# EAGLE board working (EAGLE 7.5.0), part 5 of 8 (continued)
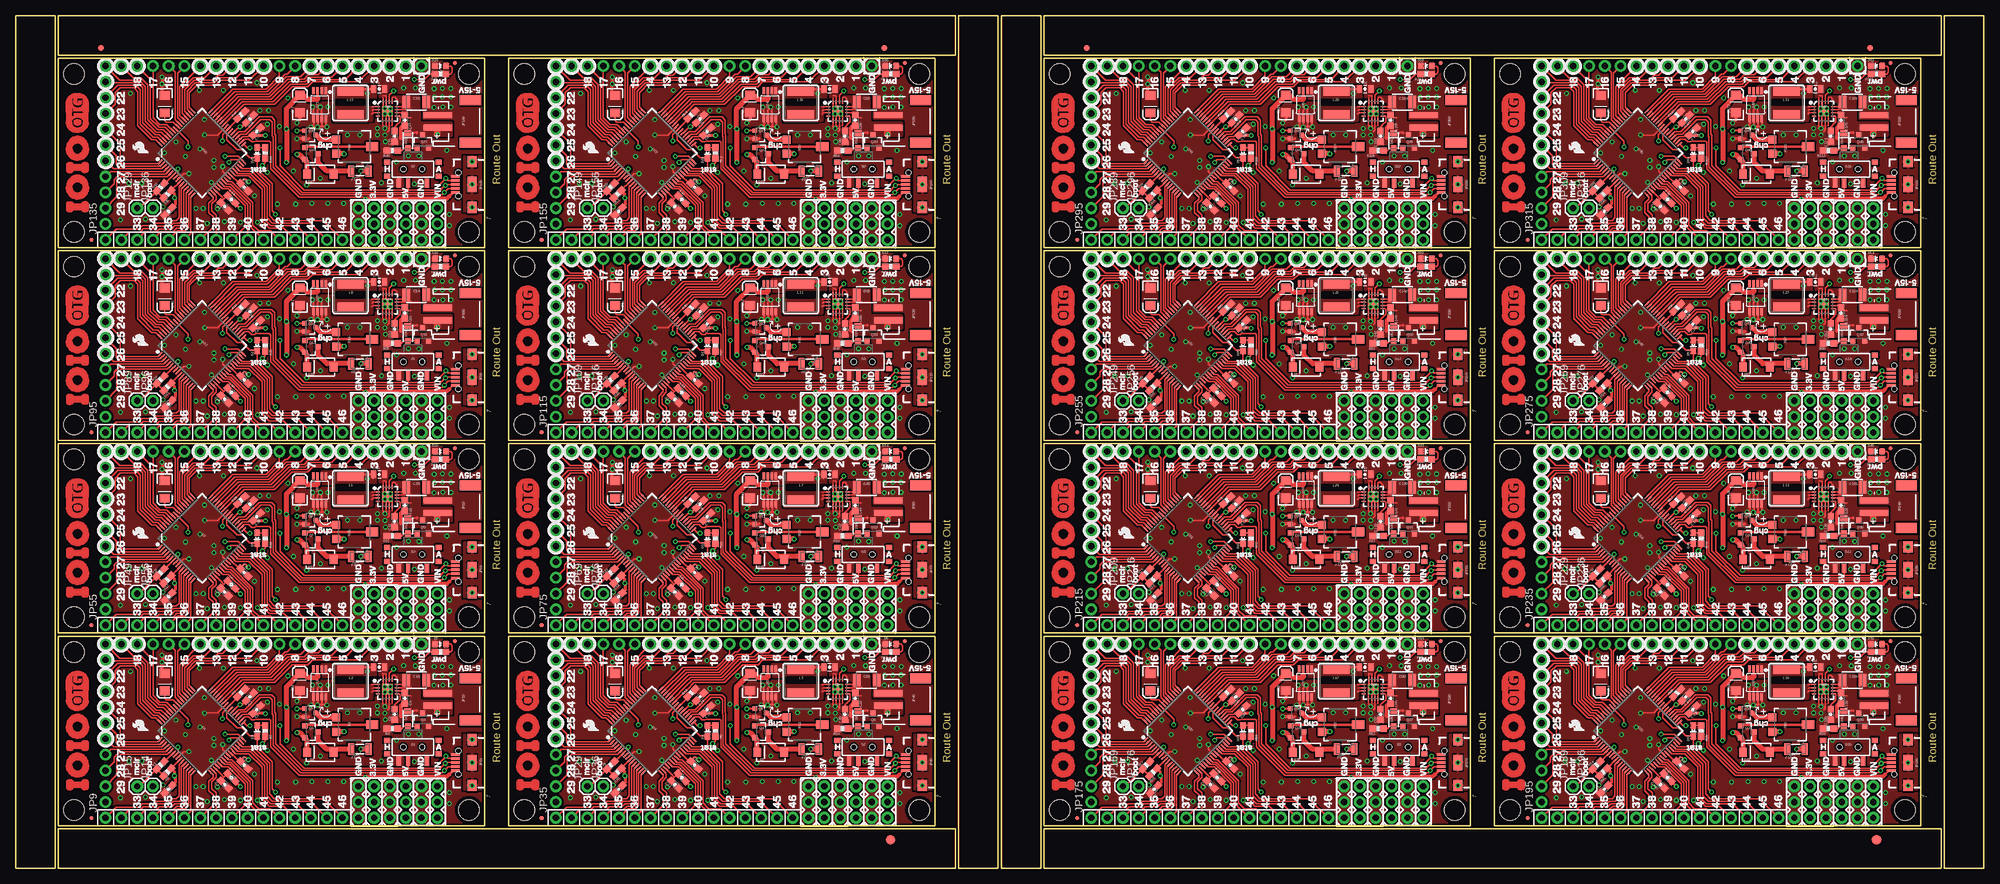
[diagram p0: board, top side]
## Tracks (layer width: path | path; a pad name or v marks a point on that pad's centre or on a via) (continued)
  pour Bottom (isolate 0.305, rank 6, no thermals): 244.65,68.33 306.32,68.33 306.32,37.85 244.65,37.85
GND12  (via drill 0.38 pad 0.64)
  Top 0.203: U37.9 184.61,79.83 185.52,80.75 v186.36,80.75 | U37.20 | v189.99,79.35 190.02,79.35 U37.20 | U37.25 191.79,81.1 v191.79,81.86 | U37.41 191.01,86.97 v188.9,86.97 | U37.20 | 219.96,86.03 219.96,85.34 | 217.56,91.53 v217.87,91.23 217.57,91.53 U38.16 | 218.06,92.26 218.06,91.72 218.07,91.72 U38.15 | 218.06,91.72 218.06,91.26 | 219.06,90.03 v218.76,90.34 | 218.05,89.31 218.05,90.34 218.06,90.36 | 218.44,87.96 218.39,87.96 | U38.8 219.08,90.02 v218.76,90.34 | U38.7 218.58,90.16 v218.76,90.34 | U38.5 217.55,90.02 v217.87,90.34
  Top 0.279: 217.54,93 217.57,92.97 U38.16 | 217.55,93.3 217.56,93.28 218.06,93.28 218.07,93.28 U38.15 | 218.56,87.7 218.32,87.45 | 218.06,91.42 v217.87,91.23 | 218.06,91.23 v217.87,91.23 | 218.06,91.23 v217.87,91.23 | 218.06,91.26 217.87,91.26 | 218.06,90.34 v217.87,90.34 218.06,90.34 | v217.87,88 arc90 218.05,88.57 | 217.55,89.39 217.55,88.53 arc-90 217.56,88.53 217.56,87.98 217.57,87.97 | 218.56,90.15 v218.76,90.34 | 218.58,89.16 218.58,87.64 | 219.07,89.17 219.07,88.49 | U38.6 218.05,88.33 218.16,88.22
  Top 0.356: v207.01,88.27 207.07,88.32 U39.6 207.07,90.99 v207.52,91.44 207.72,91.24 U39.7 207.72,88.27 | U39.8 208.37,88.43 v208.53,88.27 207.72,88.27 | 207.72,88.27 v205.99,88.27 206.42,88.69 U39.5 206.42,91.27 v206.25,91.44
  Top 0.406: 221,88.38 C143.2 | 220.39,87.85 220.89,88.36
  Top 0.508: v203.71,86.36 203.72,86.34 Q38.2 205.62,86.34 205.69,86.41 | C139.C 204.22,89.41 v203.71,88.9 | v182.04,96.29 v182.04,95.17 182.04,93.75 C137.C
  Top 0.61: 220.47,86.46 220.47,88.12 220.92,88.57
  other vias: 218.76,91.23 206.17,75.95 208.71,75.95 211.25,75.95 207.52,80.01 211.84,87 213.87,87 225.85,93.05 227.14,93.07 228.47,93.09 216.69,88.04 208.71,91.45 197.76,90.91 227.13,94.44 228.51,94.42 220.9,94.55 222.77,94.55 216.68,86.99 225.79,91.42 228.47,91.44 223.32,83.57 217.3,79.25 199.01,88.7 227.84,84.45 227.18,91.46 219.76,82.63 217.88,86.94 221.64,83.59 222.63,79.12 187.53,75.16 179.4,73.43 182.45,84.1 188.14,84.71 184.28,85.83 185.8,83.49 188.87,89.43 197.28,95.38 188.04,94.16 191.9,94.16 176.96,93.65 175.34,73.33 189.31,72.75 192.1,73.03 194.64,72.92 190.93,75.08 196.93,77.17 203.53,75.84 198.98,80.95 200.58,75.84 202.26,92.94 200.94,88.37 205.31,78.92 203.17,81.15 197.38,72.92 188.67,75.16 176.76,79.22 190.37,81.76 190.37,82.88 182.23,75.38 178.79,79.22 199.19,90.91 228.27,74.17 228.27,72.39 217.96,85.89 225.8,94.4
  pour Top (isolate 0.254, rank 6, no thermals): 224.02,89.62 223.9,92.58 219.96,93.2 219.96,94.34 217.04,94.34 217.04,99.31 233.93,99.31 233.93,89.66
  pour Top (isolate 0.152, no thermals): 217.04,95.12 217.04,91.93 217.42,91.93 217.42,88.75 215.39,88.75 215.39,86.61 219.33,86.61 219.33,91.8 218.31,91.8 218.31,95.12
  pour Top (isolate 0.152, no thermals): 217.04,95.12 217.04,91.93 217.42,91.93 217.42,88.75 215.39,88.75 215.39,86.61 219.33,86.61 219.33,91.8 218.31,91.8 218.31,95.12
  pour Top (isolate 0.305, rank 6, no thermals): 172.26,99.31 233.93,99.31 233.93,68.83 172.26,68.83
  pour Bottom (isolate 0.305, rank 6, no thermals): 172.26,99.31 233.93,99.31 233.93,68.83 172.26,68.83
GND13  (via drill 0.38 pad 0.64)
  Top 0.203: U40.9 257,79.83 257.91,80.75 v258.75,80.75 | U40.20 | v262.38,79.35 262.41,79.35 U40.20 | U40.25 264.19,81.1 v264.19,81.86 | U40.41 263.4,86.97 v261.29,86.97 | U40.20 | 292.35,86.03 292.35,85.34 | 289.95,91.53 v290.26,91.23 289.96,91.53 U41.16 | 290.45,92.26 290.45,91.72 290.46,91.72 U41.15 | 290.45,91.72 290.45,91.26 | 291.45,90.03 v291.15,90.34 | 290.44,89.31 290.44,90.34 290.45,90.36 | 290.83,87.96 290.78,87.96 | U41.8 291.47,90.02 v291.15,90.34 | U41.7 290.97,90.16 v291.15,90.34 | U41.5 289.94,90.02 v290.26,90.34
  Top 0.279: 289.93,93 289.96,92.97 U41.16 | 289.94,93.3 289.95,93.28 290.45,93.28 290.46,93.28 U41.15 | 290.95,87.7 290.71,87.45 | 290.45,91.42 v290.26,91.23 | 290.45,91.23 v290.26,91.23 | 290.45,91.23 v290.26,91.23 | 290.45,91.26 290.26,91.26 | 290.45,90.34 v290.26,90.34 290.45,90.34 | v290.26,88 arc90 290.44,88.57 | 289.94,89.39 289.94,88.53 arc-90 289.95,88.53 289.95,87.98 289.96,87.97 | 290.95,90.15 v291.15,90.34 | 290.97,89.16 290.97,87.64 | 291.46,89.17 291.46,88.49 | U41.6 290.44,88.33 290.55,88.22
  Top 0.356: v279.4,88.27 279.46,88.32 U42.6 279.46,90.99 v279.91,91.44 280.11,91.24 U42.7 280.11,88.27 | U42.8 280.76,88.43 v280.92,88.27 280.11,88.27 | 280.11,88.27 v278.38,88.27 278.81,88.69 U42.5 278.81,91.27 v278.64,91.44
  Top 0.406: 293.39,88.38 C154.2 | 292.78,87.85 293.28,88.36
  Top 0.508: v276.1,86.36 276.11,86.34 Q41.2 278.01,86.34 278.08,86.41 | C150.C 276.61,89.41 v276.1,88.9 | v254.43,96.29 v254.43,95.17 254.43,93.75 C148.C
  Top 0.61: 292.87,86.46 292.87,88.12 293.31,88.57
  other vias: 291.15,91.23 278.56,75.95 281.1,75.95 283.64,75.95 279.91,80.01 284.23,87 286.26,87 298.24,93.05 299.53,93.07 300.86,93.09 289.08,88.04 281.1,91.45 270.15,90.91 299.52,94.44 300.9,94.42 293.29,94.55 295.16,94.55 289.07,86.99 298.18,91.42 300.86,91.44 295.71,83.57 289.69,79.25 271.4,88.7 300.23,84.45 299.57,91.46 292.15,82.63 290.27,86.94 294.03,83.59 295.02,79.12 259.92,75.16 251.79,73.43 254.84,84.1 260.53,84.71 256.67,85.83 258.19,83.49 261.26,89.43 269.67,95.38 260.43,94.16 264.29,94.16 249.35,93.65 247.73,73.33 261.7,72.75 264.49,73.03 267.03,72.92 263.32,75.08 269.32,77.17 275.92,75.84 271.37,80.95 272.97,75.84 274.65,92.94 273.33,88.37 277.7,78.92 275.56,81.15 269.77,72.92 261.06,75.16 249.15,79.22 262.76,81.76 262.76,82.88 254.62,75.38 251.18,79.22 271.58,90.91 300.66,74.17 300.66,72.39 290.35,85.89 298.19,94.4
  pour Top (isolate 0.254, rank 6, no thermals): 296.41,89.62 296.29,92.58 292.35,93.2 292.35,94.34 289.43,94.34 289.43,99.31 306.32,99.31 306.32,89.66
  pour Top (isolate 0.152, no thermals): 289.43,95.12 289.43,91.93 289.81,91.93 289.81,88.75 287.78,88.75 287.78,86.61 291.72,86.61 291.72,91.8 290.7,91.8 290.7,95.12
  pour Top (isolate 0.152, no thermals): 289.43,95.12 289.43,91.93 289.81,91.93 289.81,88.75 287.78,88.75 287.78,86.61 291.72,86.61 291.72,91.8 290.7,91.8 290.7,95.12
  pour Top (isolate 0.305, rank 6, no thermals): 244.65,99.31 306.32,99.31 306.32,68.83 244.65,68.83
  pour Bottom (isolate 0.305, rank 6, no thermals): 244.65,99.31 306.32,99.31 306.32,68.83 244.65,68.83
GND14  (via drill 0.38 pad 0.64)
  Top 0.203: U43.9 184.61,110.82 185.52,111.73 v186.36,111.73 | U43.20 | v189.99,110.34 190.02,110.34 U43.20 | U43.25 191.79,112.09 v191.79,112.85 | U43.41 191.01,117.96 v188.9,117.96 | U43.20 | 219.96,117.01 219.96,116.33 | 217.56,122.52 v217.87,122.22 217.57,122.52 U44.16 | 218.06,123.25 218.06,122.7 218.07,122.71 U44.15 | 218.06,122.7 218.06,122.25 | 219.06,121.02 v218.76,121.33 | 218.05,120.3 218.05,121.33 218.06,121.34 | 218.44,118.95 218.39,118.95 | U44.8 219.08,121.01 v218.76,121.33 | U44.7 218.58,121.15 v218.76,121.33 | U44.5 217.55,121.01 v217.87,121.33
  Top 0.279: 217.54,123.98 217.57,123.96 U44.16 | 217.55,124.29 217.56,124.27 218.06,124.27 218.07,124.27 U44.15 | 218.56,118.69 218.32,118.44 | 218.06,122.41 v217.87,122.22 | 218.06,122.22 v217.87,122.22 | 218.06,122.22 v217.87,122.22 | 218.06,122.25 217.87,122.25 | 218.06,121.33 v217.87,121.33 218.06,121.33 | v217.87,118.99 arc90 218.05,119.56 | 217.55,120.38 217.55,119.52 arc-90 217.56,119.51 217.56,118.97 217.57,118.96 | 218.56,121.13 v218.76,121.33 | 218.58,120.14 218.58,118.63 | 219.07,120.16 219.07,119.48 | U44.6 218.05,119.32 218.16,119.21
  Top 0.356: v207.01,119.25 207.07,119.31 U45.6 207.07,121.98 v207.52,122.43 207.72,122.23 U45.7 207.72,119.26 207.72,119.25 | U45.8 208.37,119.42 v208.53,119.25 207.72,119.25 | 207.72,119.25 v205.99,119.25 206.42,119.67 U45.5 206.42,122.26 v206.25,122.43
  Top 0.406: 221,119.37 C165.2 | 220.39,118.84 220.89,119.34
  Top 0.508: v203.71,117.35 203.72,117.33 Q44.2 205.62,117.33 205.69,117.4 | C161.C 204.22,120.4 v203.71,119.89 | v182.04,127.28 v182.04,126.16 182.04,124.74 C159.C
  Top 0.61: 220.47,117.45 220.47,119.11 220.92,119.56
  other vias: 218.76,122.22 206.17,106.93 208.71,106.93 211.25,106.93 207.52,111 211.84,117.98 213.87,117.98 225.85,124.04 227.14,124.06 228.47,124.08 216.69,119.03 208.71,122.44 197.76,121.89 227.13,125.43 228.51,125.4 220.9,125.54 222.77,125.53 216.68,117.98 225.79,122.41 228.47,122.43 223.32,114.55 217.3,110.24 199.01,119.68 227.84,115.44 227.18,122.45 219.76,113.61 217.88,117.93 221.64,114.58 222.63,110.11 187.53,106.15 179.4,104.42 182.45,115.09 188.14,115.7 184.28,116.81 185.8,114.48 188.87,120.42 197.28,126.36 188.04,125.15 191.9,125.15 176.96,124.64 175.34,104.32 189.31,103.73 192.1,104.01 194.64,103.91 190.93,106.07 196.93,108.15 203.53,106.83 198.98,111.94 200.58,106.83 202.26,123.93 200.94,119.35 205.31,109.91 203.17,112.14 197.38,103.91 188.67,106.15 176.76,110.21 190.37,112.75 190.37,113.87 182.23,106.37 178.79,110.21 199.19,121.89 228.27,105.16 228.27,103.38 217.96,116.88 225.8,125.39
  pour Top (isolate 0.254, rank 6, no thermals): 224.02,120.61 223.9,123.57 219.96,124.19 219.96,125.33 217.04,125.33 217.04,130.3 233.93,130.3 233.93,120.65
  pour Top (isolate 0.152, no thermals): 217.04,126.11 217.04,122.92 217.42,122.92 217.42,119.74 215.39,119.74 215.39,117.6 219.33,117.6 219.33,122.79 218.31,122.79 218.31,126.11
  pour Top (isolate 0.152, no thermals): 217.04,126.11 217.04,122.92 217.42,122.92 217.42,119.74 215.39,119.74 215.39,117.6 219.33,117.6 219.33,122.79 218.31,122.79 218.31,126.11
  pour Top (isolate 0.305, rank 6, no thermals): 172.26,130.3 233.93,130.3 233.93,99.82 172.26,99.82
  pour Bottom (isolate 0.305, rank 6, no thermals): 172.26,130.3 233.93,130.3 233.93,99.82 172.26,99.82
GND15  (via drill 0.38 pad 0.64)
  Top 0.203: U46.9 257,110.82 257.91,111.73 v258.75,111.73 | U46.20 | v262.38,110.34 262.41,110.34 U46.20 | U46.25 264.19,112.09 v264.19,112.85 | U46.41 263.4,117.96 v261.29,117.96 | U46.20 | 292.35,117.01 292.35,116.33 | 289.95,122.52 v290.26,122.22 289.96,122.52 U47.16 | 290.45,123.25 290.45,122.7 290.46,122.71 U47.15 | 290.45,122.7 290.45,122.25 | 291.45,121.02 v291.15,121.33 | 290.44,120.3 290.44,121.33 290.45,121.34 | 290.83,118.95 290.78,118.95 | U47.8 291.47,121.01 v291.15,121.33 | U47.7 290.97,121.15 v291.15,121.33 | U47.5 289.94,121.01 v290.26,121.33
  Top 0.279: 289.93,123.98 289.96,123.96 U47.16 | 289.94,124.29 289.95,124.27 290.45,124.27 290.46,124.27 U47.15 | 290.95,118.69 290.71,118.44 | 290.45,122.41 v290.26,122.22 | 290.45,122.22 v290.26,122.22 | 290.45,122.22 v290.26,122.22 | 290.45,122.25 290.26,122.25 | 290.45,121.33 v290.26,121.33 290.45,121.33 | v290.26,118.99 arc90 290.44,119.56 | 289.94,120.38 289.94,119.52 arc-90 289.95,119.51 289.95,118.97 289.96,118.96 | 290.95,121.13 v291.15,121.33 | 290.97,120.14 290.97,118.63 | 291.46,120.16 291.46,119.48 | U47.6 290.44,119.32 290.55,119.21
  Top 0.356: v279.4,119.25 279.46,119.31 U48.6 279.46,121.98 v279.91,122.43 280.11,122.23 U48.7 280.11,119.26 280.11,119.25 | U48.8 280.76,119.42 v280.92,119.25 280.11,119.25 | 280.11,119.25 v278.38,119.25 278.81,119.67 U48.5 278.81,122.26 v278.64,122.43
  Top 0.406: 293.39,119.37 C176.2 | 292.78,118.84 293.28,119.34
  Top 0.508: v276.1,117.35 276.11,117.33 Q47.2 278.01,117.33 278.08,117.4 | C172.C 276.61,120.4 v276.1,119.89 | v254.43,127.28 v254.43,126.16 254.43,124.74 C170.C
  Top 0.61: 292.87,117.45 292.87,119.11 293.31,119.56
  other vias: 291.15,122.22 278.56,106.93 281.1,106.93 283.64,106.93 279.91,111 284.23,117.98 286.26,117.98 298.24,124.04 299.53,124.06 300.86,124.08 289.08,119.03 281.1,122.44 270.15,121.89 299.52,125.43 300.9,125.4 293.29,125.54 295.16,125.53 289.07,117.98 298.18,122.41 300.86,122.43 295.71,114.55 289.69,110.24 271.4,119.68 300.23,115.44 299.57,122.45 292.15,113.61 290.27,117.93 294.03,114.58 295.02,110.11 259.92,106.15 251.79,104.42 254.84,115.09 260.53,115.7 256.67,116.81 258.19,114.48 261.26,120.42 269.67,126.36 260.43,125.15 264.29,125.15 249.35,124.64 247.73,104.32 261.7,103.73 264.49,104.01 267.03,103.91 263.32,106.07 269.32,108.15 275.92,106.83 271.37,111.94 272.97,106.83 274.65,123.93 273.33,119.35 277.7,109.91 275.56,112.14 269.77,103.91 261.06,106.15 249.15,110.21 262.76,112.75 262.76,113.87 254.62,106.37 251.18,110.21 271.58,121.89 300.66,105.16 300.66,103.38 290.35,116.88 298.19,125.39
  pour Top (isolate 0.254, rank 6, no thermals): 296.41,120.61 296.29,123.57 292.35,124.19 292.35,125.33 289.43,125.33 289.43,130.3 306.32,130.3 306.32,120.65
  pour Top (isolate 0.152, no thermals): 289.43,126.11 289.43,122.92 289.81,122.92 289.81,119.74 287.78,119.74 287.78,117.6 291.72,117.6 291.72,122.79 290.7,122.79 290.7,126.11
  pour Top (isolate 0.152, no thermals): 289.43,126.11 289.43,122.92 289.81,122.92 289.81,119.74 287.78,119.74 287.78,117.6 291.72,117.6 291.72,122.79 290.7,122.79 290.7,126.11
  pour Top (isolate 0.305, rank 6, no thermals): 244.65,130.3 306.32,130.3 306.32,99.82 244.65,99.82
  pour Bottom (isolate 0.305, rank 6, no thermals): 244.65,130.3 306.32,130.3 306.32,99.82 244.65,99.82
HOST  (via drill 0.38 pad 0.64)
  Top 0.203: v33.27,24.05 33.27,25.05 U1.40 35.67,27.44 R2.1
  Top 0.305: Q2.1 45.25,25.67 arc45 v45.21,25.65
  Bottom 0.203: 45.09,25.53 v45.21,25.65 43.61,24.05 v33.27,24.05
HOST1  (via drill 0.38 pad 0.64)
  Top 0.203: v105.66,24.05 105.66,25.05 U4.40 108.06,27.44 R12.1
  Top 0.305: Q5.1 117.64,25.67 arc45 v117.6,25.65
  Bottom 0.203: 117.47,25.53 v117.6,25.65 116,24.05 v105.66,24.05
HOST2  (via drill 0.38 pad 0.64)
  Top 0.203: v33.27,55.04 33.27,56.03 U7.40 35.67,58.43 R19.1
  Top 0.305: Q8.1 45.25,56.66 arc45 v45.21,56.64
  Bottom 0.203: 45.09,56.52 v45.21,56.64 43.61,55.04 v33.27,55.04
HOST3  (via drill 0.38 pad 0.64)
  Top 0.203: v105.66,55.04 105.66,56.03 U10.40 108.06,58.43 R26.1
  Top 0.305: Q11.1 117.64,56.66 arc45 v117.6,56.64
  Bottom 0.203: 117.47,56.52 v117.6,56.64 116,55.04 v105.66,55.04
HOST4  (via drill 0.38 pad 0.64)
  Top 0.203: v33.27,86.03 33.27,87.02 U13.40 35.67,89.42 R33.1
  Top 0.305: Q14.1 45.25,87.64 arc45 v45.21,87.63
  Bottom 0.203: 45.09,87.5 v45.21,87.63 43.61,86.03 v33.27,86.03
HOST5  (via drill 0.38 pad 0.64)
  Top 0.203: v105.66,86.03 105.66,87.02 U16.40 108.06,89.42 R40.1
  Top 0.305: Q17.1 117.64,87.64 arc45 v117.6,87.63
  Bottom 0.203: 117.47,87.5 v117.6,87.63 116,86.03 v105.66,86.03
HOST6  (via drill 0.38 pad 0.64)
  Top 0.203: v33.27,117.02 33.27,118.01 U19.40 35.67,120.41 R47.1
  Top 0.305: Q20.1 45.25,118.63 arc45 v45.21,118.62
  Bottom 0.203: 45.09,118.49 v45.21,118.62 43.61,117.02 v33.27,117.02
HOST7  (via drill 0.38 pad 0.64)
  Top 0.203: v105.66,117.02 105.66,118.01 U22.40 108.06,120.41 R54.1
  Top 0.305: Q23.1 117.64,118.63 arc45 v117.6,118.62
  Bottom 0.203: 117.47,118.49 v117.6,118.62 116,117.02 v105.66,117.02
HOST8  (via drill 0.38 pad 0.64)
  Top 0.203: v191.77,24.05 191.77,25.05 U25.40 194.17,27.44 R61.1
  Top 0.305: Q26.1 203.74,25.67 arc45 v203.71,25.65
  Bottom 0.203: 203.58,25.53 v203.71,25.65 202.11,24.05 v191.77,24.05
HOST9  (via drill 0.38 pad 0.64)
  Top 0.203: v264.16,24.05 264.16,25.05 U28.40 266.56,27.44 R68.1
  Top 0.305: Q29.1 276.13,25.67 arc45 v276.1,25.65
  Bottom 0.203: 275.97,25.53 v276.1,25.65 274.5,24.05 v264.16,24.05
HOST10  (via drill 0.38 pad 0.64)
  Top 0.203: v191.77,55.04 191.77,56.03 U31.40 194.17,58.43 R75.1
  Top 0.305: Q32.1 203.74,56.66 arc45 v203.71,56.64
  Bottom 0.203: 203.58,56.52 v203.71,56.64 202.11,55.04 v191.77,55.04
HOST11  (via drill 0.38 pad 0.64)
  Top 0.203: v264.16,55.04 264.16,56.03 U34.40 266.56,58.43 R82.1
  Top 0.305: Q35.1 276.13,56.66 arc45 v276.1,56.64
  Bottom 0.203: 275.97,56.52 v276.1,56.64 274.5,55.04 v264.16,55.04
HOST12  (via drill 0.38 pad 0.64)
  Top 0.203: v191.77,86.03 191.77,87.02 U37.40 194.17,89.42 R89.1
  Top 0.305: Q38.1 203.74,87.64 arc45 v203.71,87.63
  Bottom 0.203: 203.58,87.5 v203.71,87.63 202.11,86.03 v191.77,86.03
HOST13  (via drill 0.38 pad 0.64)
  Top 0.203: v264.16,86.03 264.16,87.02 U40.40 266.56,89.42 R96.1
  Top 0.305: Q41.1 276.13,87.64 arc45 v276.1,87.63
  Bottom 0.203: 275.97,87.5 v276.1,87.63 274.5,86.03 v264.16,86.03
HOST14  (via drill 0.38 pad 0.64)
  Top 0.203: v191.77,117.02 191.77,118.01 U43.40 194.17,120.41 R103.1
  Top 0.305: Q44.1 203.74,118.63 arc45 v203.71,118.62
  Bottom 0.203: 203.58,118.49 v203.71,118.62 202.11,117.02 v191.77,117.02
HOST15  (via drill 0.38 pad 0.64)
  Top 0.203: v264.16,117.02 264.16,118.01 U46.40 266.56,120.41 R110.1
  Top 0.305: Q47.1 276.13,118.63 arc45 v276.1,118.62
  Bottom 0.203: 275.97,118.49 v276.1,118.62 274.5,117.02 v264.16,117.02
MCLR
  Top 0.203: U1.7 24,17.19 R8.1
MCLR1
  Top 0.203: U4.7 96.39,17.19 R10.1
MCLR2
  Top 0.203: U7.7 24,48.17 R17.1
MCLR3
  Top 0.203: U10.7 96.39,48.17 R24.1
MCLR4
  Top 0.203: U13.7 24,79.16 R31.1
MCLR5
  Top 0.203: U16.7 96.39,79.16 R38.1
MCLR6
  Top 0.203: U19.7 24,110.15 R45.1
MCLR7
  Top 0.203: U22.7 96.39,110.15 R52.1
MCLR8
  Top 0.203: U25.7 182.5,17.19 R59.1
MCLR9
  Top 0.203: U28.7 254.89,17.19 R66.1
MCLR10
  Top 0.203: U31.7 182.5,48.17 R73.1
MCLR11
  Top 0.203: U34.7 254.89,48.17 R80.1
MCLR12
  Top 0.203: U37.7 182.5,79.16 R87.1
MCLR13
  Top 0.203: U40.7 254.89,79.16 R94.1
MCLR14
  Top 0.203: U43.7 182.5,110.15 R101.1
MCLR15
  Top 0.203: U46.7 254.89,110.15 R108.1
N$1
  Top 0.406: R3.B 46.69,23.11 Q1.1
N$2
  Top 0.203: D3.A 40.1,22.98 R7.1
  Top 0.61: 40.03,22.85 R7.1
N$3
  Top 0.203: R9.1 69.98,34.8 70.23,35.05 70.23,35.79 69.95,36.07 D5.A
N$4
  Top 0.813: F1.2 51.18,19.18 | 51.18,19.18 50.04,19.18 48.6,20.62 Q1.3 | D1.A 51.17,19.17 51.18,19.18
N$5
  Top 0.203: C7.A 23.98,27.33 24.23,27.08 25.35,27.08 U1.56
N$6
  Top 0.279: U2.1 57.33,29.56 57.28,29.52 | 57.34,28.91 57.49,29.06 U2.2 | 57.46,28.56 57.27,28.37 | U2.3 57.46,28.56 | 57.46,28.56
  pour Top (isolate 0.152, rank 5, no thermals): 58.67,28.43 58.67,29.7 51.33,29.59 arc90 51.09,29.35 51.08,27.4 arc90 51.34,27.14 57.15,27.16 arc90 57.4,27.41 57.4,28.17 arc-90 57.66,28.43
N$7
  Top 0.203: C8.1 60.96,26.28 61.27,26.59 61.27,26.6 61.8,27.13 61.8,27.95 61.69,28.06 61.66,28.04 U2.9
N$8
  Top 0.813: R3.C 49.05,24.26 Q2.3
N$9
  Top 0.203: U1.19 33.06,15.12 33.5,14.68 | 33.5,14.68 33.02,14.2 C1.1 | 33.5,14.68 34.05,15.23 L1.1
N$10
  Top 0.203: C16.A 96.37,27.33 96.62,27.08 97.74,27.08 U4.56
N$11
  Top 0.203: D4.A 112.5,22.98 R6.1
  Top 0.61: 112.42,22.85 R6.1
N$12
  Top 0.203: Q3.1 D2.A 63.05,22.89 62.51,22.89 62.09,22.47 R4.1
N$13
  Top 0.203: R11.1 142.37,34.8 142.62,35.05 142.62,35.79 142.34,36.07 D6.A
N$14
  Top 0.813: F2.2 123.57,19.18 | 123.57,19.18 122.43,19.18 120.99,20.62 Q4.3 | D7.A 123.56,19.17 123.57,19.18
N$15
  Top 0.203: C20.1 133.35,26.28 133.66,26.59 133.66,26.6 134.19,27.13 134.19,27.95 134.07,28.06 134.05,28.04 U5.9
N$16
  Top 0.279: U5.1 129.72,29.56 129.67,29.52 | 129.73,28.91 129.88,29.06 U5.2 | 129.85,28.56 129.66,28.37 | U5.3 129.85,28.56 | 129.85,28.56
  pour Top (isolate 0.152, rank 5, no thermals): 131.06,28.43 131.06,29.7 123.72,29.59 arc90 123.48,29.35 123.47,27.4 arc90 123.73,27.14 129.54,27.16 arc90 129.79,27.41 129.79,28.17 arc-90 130.05,28.43
N$17
  Top 0.203: U4.19 105.45,15.12 105.89,14.68 | 105.89,14.68 105.42,14.2 C12.1 | 105.89,14.68 106.44,15.23 L4.1
N$18
  Top 0.406: R13.B 119.08,23.11 Q4.1
N$19
  Top 0.813: R13.C 121.44,24.26 Q5.3
N$20
  Top 0.203: Q6.1 D8.A 135.44,22.89 134.9,22.89 134.48,22.47 R14.1
N$21
  Top 0.203: C27.A 23.98,58.32 24.23,58.06 25.35,58.06 U7.56
N$22
  Top 0.203: D9.A 40.1,53.96 R16.1
  Top 0.61: 40.03,53.84 R16.1
N$23
  Top 0.203: R18.1 69.98,65.79 70.23,66.04 70.23,66.78 69.95,67.06 D10.A
N$24
  Top 0.813: F3.2 51.18,50.16 | 51.18,50.16 50.04,50.16 48.6,51.6 Q7.3 | D11.A 51.17,50.16 51.18,50.16
N$25
  Top 0.203: C31.1 60.96,57.27 61.27,57.58 61.27,57.59 61.8,58.12 61.8,58.93 61.69,59.05 61.66,59.03 U8.9
N$26
  Top 0.279: U8.1 57.33,60.55 57.28,60.5 | 57.34,59.9 57.49,60.05 U8.2 | 57.46,59.55 57.27,59.35 | U8.3 57.46,59.55 | 57.46,59.55
  pour Top (isolate 0.152, rank 5, no thermals): 58.67,59.42 58.67,60.69 51.33,60.58 arc90 51.09,60.34 51.08,58.39 arc90 51.34,58.13 57.15,58.15 arc90 57.4,58.4 57.4,59.16 arc-90 57.66,59.42
N$27
  Top 0.203: U7.19 33.06,46.11 33.5,45.67 | 33.5,45.67 33.02,45.19 C23.1 | 33.5,45.67 34.05,46.22 L6.1
N$28
  Top 0.406: R20.B 46.69,54.1 Q7.1
N$29
  Top 0.813: R20.C 49.05,55.25 Q8.3
N$30
  Top 0.203: Q9.1 D12.A 63.05,53.88 62.51,53.88 62.09,53.46 R21.1
N$31
  Top 0.203: C38.A 96.37,58.32 96.62,58.06 97.74,58.06 U10.56
N$32
  Top 0.203: D13.A 112.5,53.96 R23.1
  Top 0.61: 112.42,53.84 R23.1
N$33
  Top 0.203: R25.1 142.37,65.79 142.62,66.04 142.62,66.78 142.34,67.06 D14.A
N$34
  Top 0.813: F4.2 123.57,50.16 | 123.57,50.16 122.43,50.16 120.99,51.6 Q10.3 | D15.A 123.56,50.16 123.57,50.16
N$35
  Top 0.203: C42.1 133.35,57.27 133.66,57.58 133.66,57.59 134.19,58.12 134.19,58.93 134.07,59.05 134.05,59.03 U11.9
N$36
  Top 0.279: U11.1 129.72,60.55 129.67,60.5 | 129.73,59.9 129.88,60.05 U11.2 | 129.85,59.55 129.66,59.35 | U11.3 129.85,59.55 | 129.85,59.55
  pour Top (isolate 0.152, rank 5, no thermals): 131.06,59.42 131.06,60.69 123.72,60.58 arc90 123.48,60.34 123.47,58.39 arc90 123.73,58.13 129.54,58.15 arc90 129.79,58.4 129.79,59.16 arc-90 130.05,59.42
N$37
  Top 0.203: U10.19 105.45,46.11 105.89,45.67 | 105.89,45.67 105.42,45.19 C34.1 | 105.89,45.67 106.44,46.22 L8.1
N$38
  Top 0.406: R27.B 119.08,54.1 Q10.1
N$39
  Top 0.813: R27.C 121.44,55.25 Q11.3
N$40
  Top 0.203: Q12.1 D16.A 135.44,53.88 134.9,53.88 134.48,53.46 R28.1
N$41
  Top 0.203: C49.A 23.98,89.31 24.23,89.05 25.35,89.05 U13.56
N$42
  Top 0.203: D17.A 40.1,84.95 R30.1
  Top 0.61: 40.03,84.82 R30.1
N$43
  Top 0.203: R32.1 69.98,96.77 70.23,97.03 70.23,97.77 69.95,98.04 D18.A
N$44
  Top 0.813: F5.2 51.18,81.15 | 51.18,81.15 50.04,81.15 48.6,82.59 Q13.3 | D19.A 51.17,81.14 51.18,81.15
N$45
  Top 0.203: C53.1 60.96,88.26 61.27,88.57 61.27,88.58 61.8,89.11 61.8,89.92 61.69,90.03 61.66,90.01 U14.9
N$46
  Top 0.279: U14.1 57.33,91.53 57.28,91.49 | 57.34,90.89 57.49,91.04 U14.2 | 57.46,90.53 57.27,90.34 | U14.3 57.46,90.53 | 57.46,90.53
  pour Top (isolate 0.152, rank 5, no thermals): 58.67,90.4 58.67,91.67 51.33,91.57 arc90 51.09,91.33 51.08,89.37 arc90 51.34,89.12 57.15,89.13 arc90 57.4,89.39 57.4,90.15 arc-90 57.66,90.4
N$47
  Top 0.203: U13.19 33.06,77.1 33.5,76.66 | 33.5,76.66 33.02,76.18 C45.1 | 33.5,76.66 34.05,77.2 L10.1
N$48
  Top 0.406: R34.B 46.69,85.09 Q13.1
N$49
  Top 0.813: R34.C 49.05,86.24 Q14.3
N$50
  Top 0.203: Q15.1 D20.A 63.05,84.87 62.51,84.87 62.09,84.45 R35.1
N$51
  Top 0.203: C60.A 96.37,89.31 96.62,89.05 97.74,89.05 U16.56
N$52
  Top 0.203: D21.A 112.5,84.95 R37.1
  Top 0.61: 112.42,84.82 R37.1
N$53
  Top 0.203: R39.1 142.37,96.77 142.62,97.03 142.62,97.77 142.34,98.04 D22.A
N$54
  Top 0.813: F6.2 123.57,81.15 | 123.57,81.15 122.43,81.15 120.99,82.59 Q16.3 | D23.A 123.56,81.14 123.57,81.15
N$55
  Top 0.203: C64.1 133.35,88.26 133.66,88.57 133.66,88.58 134.19,89.11 134.19,89.92 134.07,90.03 134.05,90.01 U17.9
N$56
  Top 0.279: U17.1 129.72,91.53 129.67,91.49 | 129.73,90.89 129.88,91.04 U17.2 | 129.85,90.53 129.66,90.34 | U17.3 129.85,90.53 | 129.85,90.53
  pour Top (isolate 0.152, rank 5, no thermals): 131.06,90.4 131.06,91.67 123.72,91.57 arc90 123.48,91.33 123.47,89.37 arc90 123.73,89.12 129.54,89.13 arc90 129.79,89.39 129.79,90.15 arc-90 130.05,90.4
N$57
  Top 0.203: U16.19 105.45,77.1 105.89,76.66 | 105.89,76.66 105.42,76.18 C56.1 | 105.89,76.66 106.44,77.2 L12.1
N$58
  Top 0.406: R41.B 119.08,85.09 Q16.1
N$59
  Top 0.813: R41.C 121.44,86.24 Q17.3
N$60
  Top 0.203: Q18.1 D24.A 135.44,84.87 134.9,84.87 134.48,84.45 R42.1
N$61
  Top 0.203: C71.A 23.98,120.29 24.23,120.04 25.35,120.04 U19.56
N$62
  Top 0.203: D25.A 40.1,115.94 R44.1
  Top 0.61: 40.03,115.81 R44.1
N$63
  Top 0.203: R46.1 69.98,127.76 70.23,128.02 70.23,128.75 69.95,129.03 D26.A
N$64
  Top 0.813: F7.2 51.18,112.14 | 51.18,112.14 50.04,112.14 48.6,113.58 Q19.3 | D27.A 51.17,112.13 51.18,112.14
N$65
  Top 0.203: C75.1 60.96,119.25 61.27,119.56 61.27,119.57 61.8,120.1 61.8,120.91 61.69,121.02 61.66,121 U20.9
N$66
  Top 0.279: U20.1 57.33,122.52 57.28,122.48 | 57.34,121.88 57.49,122.03 U20.2 | 57.46,121.52 57.27,121.33 | U20.3 57.46,121.52 | 57.46,121.52
  pour Top (isolate 0.152, rank 5, no thermals): 58.67,121.39 58.67,122.66 51.33,122.56 arc90 51.09,122.31 51.08,120.36 arc90 51.34,120.11 57.15,120.12 arc90 57.4,120.38 57.4,121.14 arc-90 57.66,121.39
N$67
  Top 0.203: U19.19 33.06,108.09 33.5,107.64 | 33.5,107.64 33.02,107.17 C67.1 | 33.5,107.64 34.05,108.19 L14.1
N$68
  Top 0.406: R48.B 46.69,116.08 Q19.1
N$69
  Top 0.813: R48.C 49.05,117.23 Q20.3
N$70
  Top 0.203: Q21.1 D28.A 63.05,115.86 62.51,115.86 62.09,115.44 R49.1
N$71
  Top 0.203: C82.A 96.37,120.29 96.62,120.04 97.74,120.04 U22.56
N$72
  Top 0.203: D29.A 112.5,115.94 R51.1
  Top 0.61: 112.42,115.81 R51.1
N$73
  Top 0.203: R53.1 142.37,127.76 142.62,128.02 142.62,128.75 142.34,129.03 D30.A
N$74
  Top 0.813: F8.2 123.57,112.14 | 123.57,112.14 122.43,112.14 120.99,113.58 Q22.3 | D31.A 123.56,112.13 123.57,112.14
N$75